# Altium PCB STB_LightBoard.PcbDoc (part 8 of 31)
Units mm, origin at the board's own origin, x right, y up, seen from the top; angles counter-clockwise.
Board outline 348 x 348 mm, 2 copper layers (Top Layer, Bottom Layer), stack 1.672 mm thick; 3807 components, 3391 nets, 11616 pads, 2553 vias.
Unrouted connection lines stored in the file: 68.
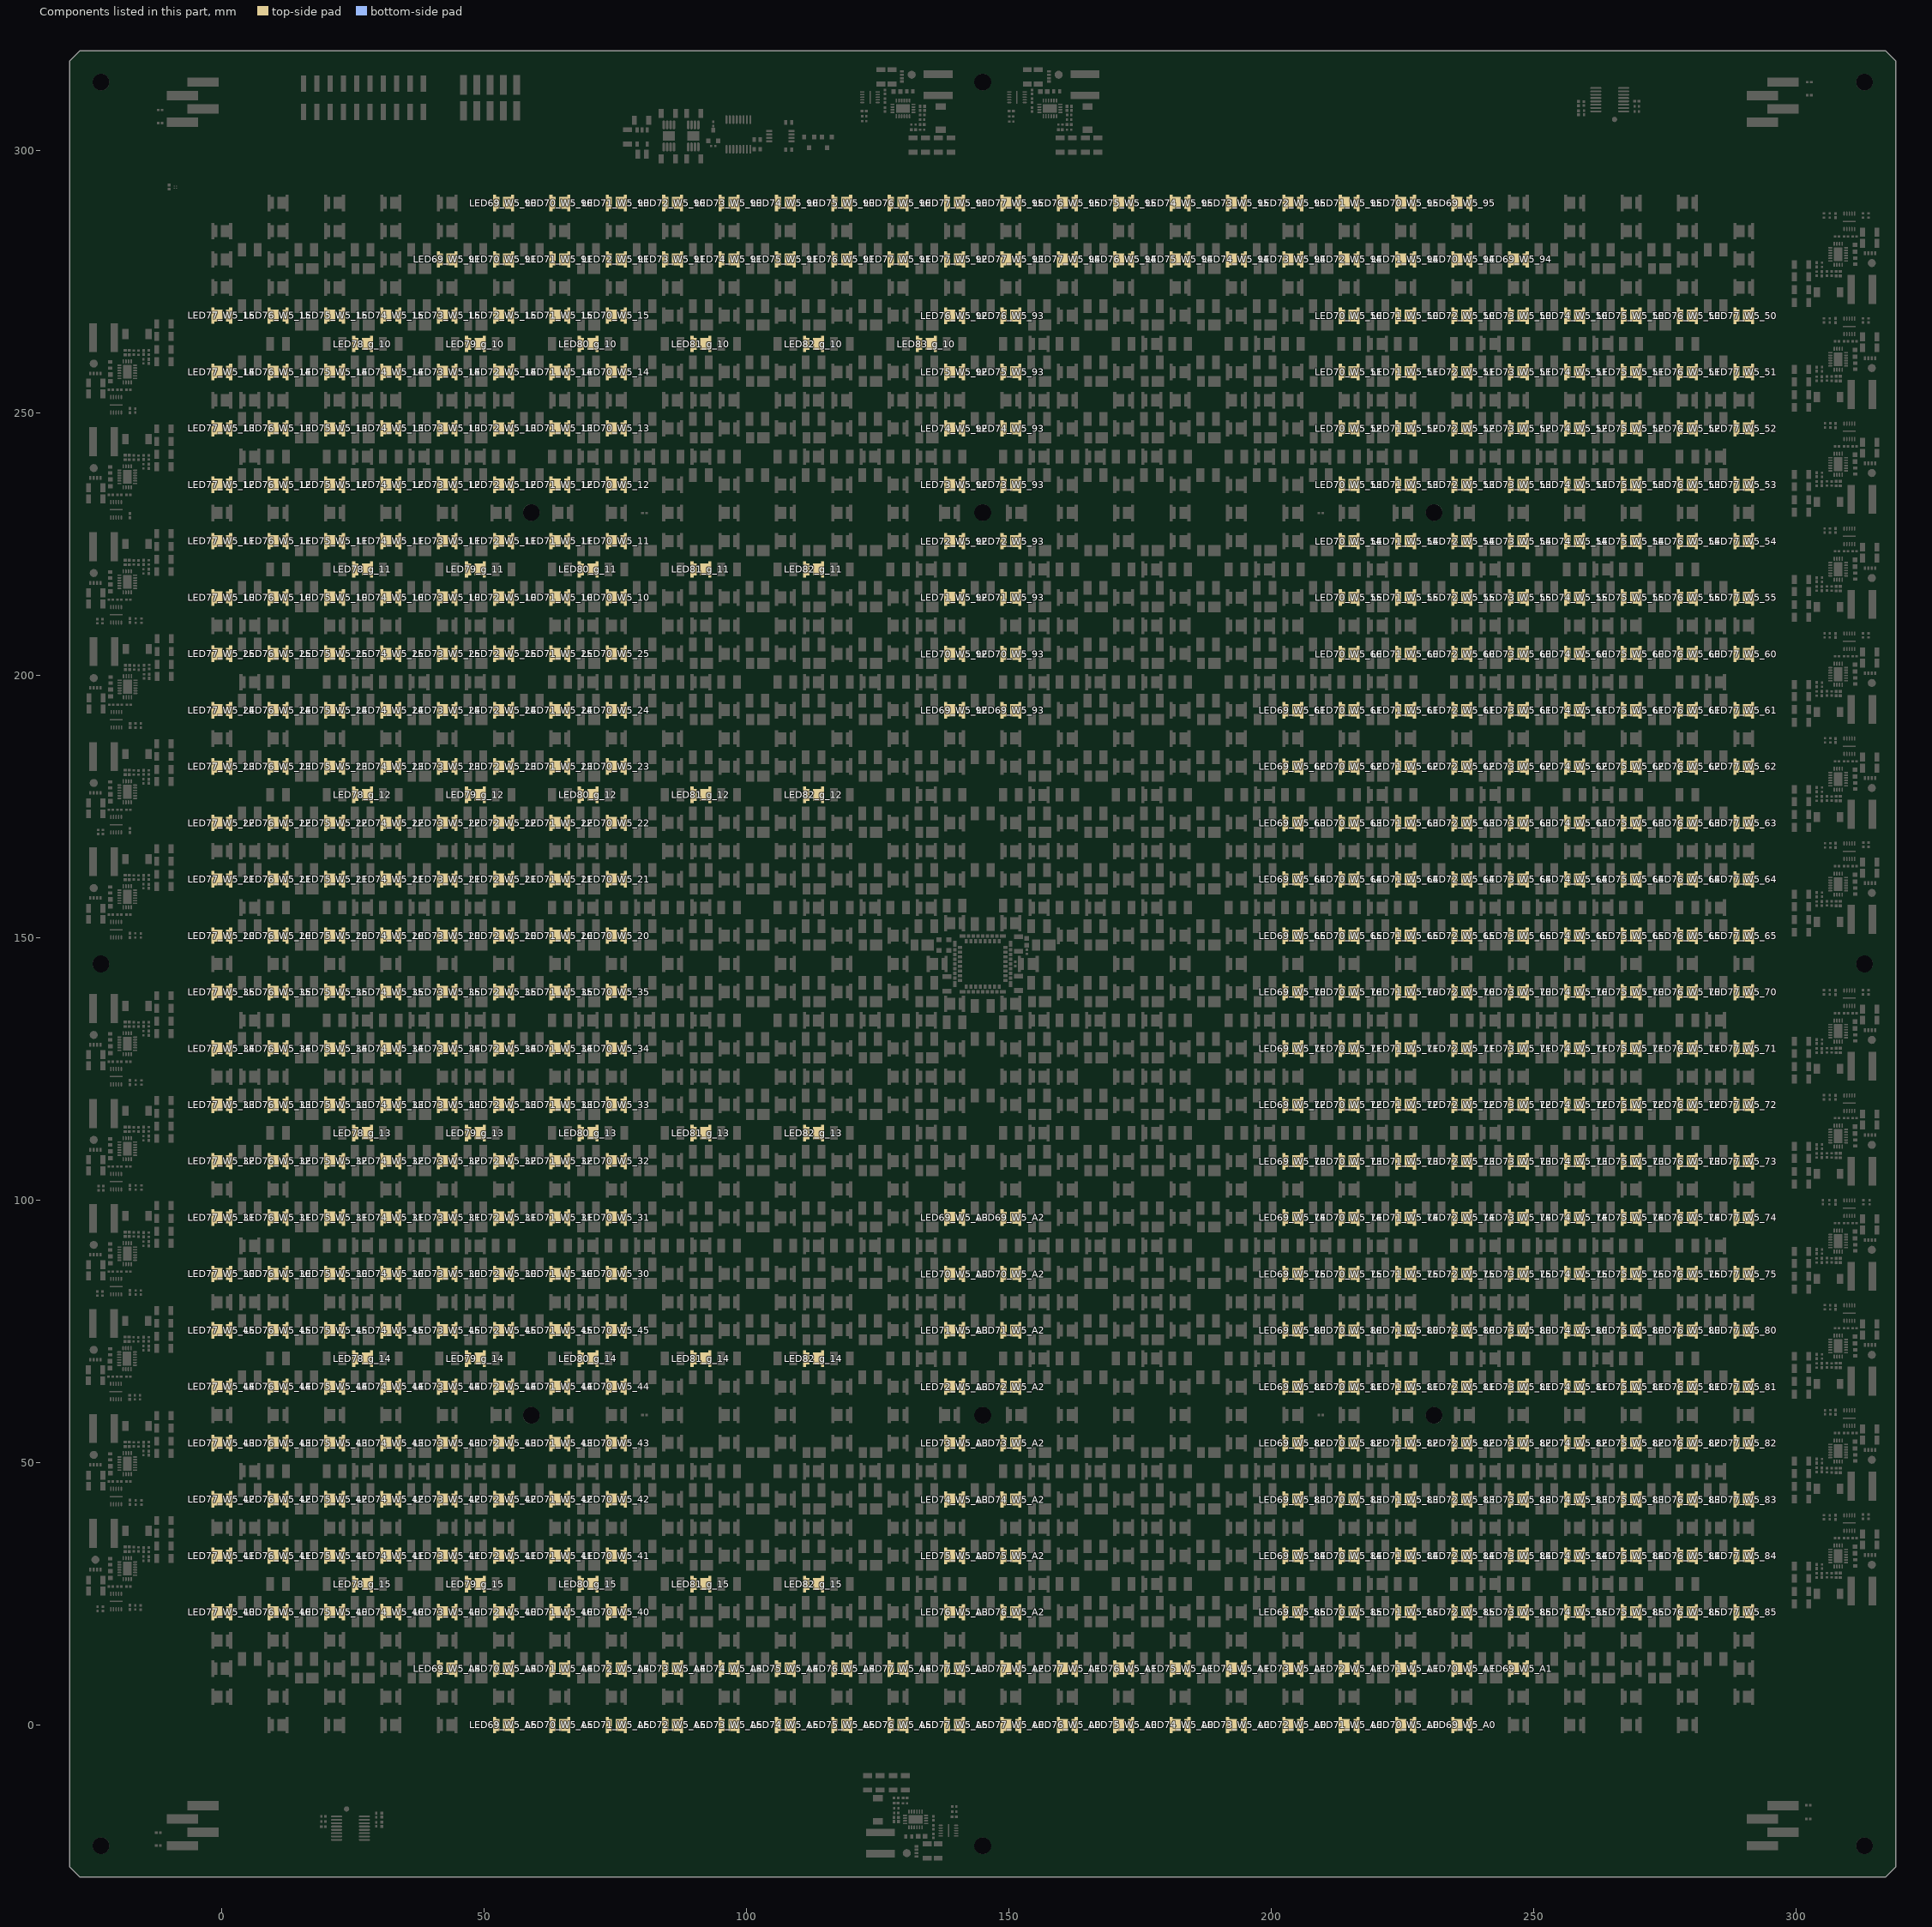
[diagram p8: the components of this part, seen from the top]

## Components (designator, comment, footprint, x,y, rotation, side; value= is the part's Value field where it differs from the comment) (continued)
LED69_W5_61 "NF2W757GT-F1" NF2W757GT-F1 204.079,193.32 r180 top (schematic designator LED69)
LED69_W5_62 "NF2W757GT-F1" NF2W757GT-F1 204.079,182.58 r180 top (schematic designator LED69)
LED69_W5_63 "NF2W757GT-F1" NF2W757GT-F1 204.079,171.84 r180 top (schematic designator LED69)
LED69_W5_64 "NF2W757GT-F1" NF2W757GT-F1 204.079,161.1 r180 top (schematic designator LED69)
LED69_W5_65 "NF2W757GT-F1" NF2W757GT-F1 204.079,150.36 r180 top (schematic designator LED69)
LED69_W5_70 "NF2W757GT-F1" NF2W757GT-F1 204.079,139.62 r180 top (schematic designator LED69)
LED69_W5_71 "NF2W757GT-F1" NF2W757GT-F1 204.079,128.88 r180 top (schematic designator LED69)
LED69_W5_72 "NF2W757GT-F1" NF2W757GT-F1 204.079,118.14 r180 top (schematic designator LED69)
LED69_W5_73 "NF2W757GT-F1" NF2W757GT-F1 204.079,107.4 r180 top (schematic designator LED69)
LED69_W5_74 "NF2W757GT-F1" NF2W757GT-F1 204.079,96.66 r180 top (schematic designator LED69)
LED69_W5_75 "NF2W757GT-F1" NF2W757GT-F1 204.079,85.92 r180 top (schematic designator LED69)
LED69_W5_80 "NF2W757GT-F1" NF2W757GT-F1 204.079,75.18 r180 top (schematic designator LED69)
LED69_W5_81 "NF2W757GT-F1" NF2W757GT-F1 204.079,64.44 r180 top (schematic designator LED69)
LED69_W5_82 "NF2W757GT-F1" NF2W757GT-F1 204.079,53.7 r180 top (schematic designator LED69)
LED69_W5_83 "NF2W757GT-F1" NF2W757GT-F1 204.079,42.96 r180 top (schematic designator LED69)
LED69_W5_84 "NF2W757GT-F1" NF2W757GT-F1 204.079,32.22 r180 top (schematic designator LED69)
LED69_W5_85 "NF2W757GT-F1" NF2W757GT-F1 204.079,21.48 r180 top (schematic designator LED69)
LED69_W5_90 "NF2W757GT-F1" NF2W757GT-F1 53.705,289.98 r180 top (schematic designator LED69)
LED69_W5_91 "NF2W757GT-F1" NF2W757GT-F1 42.964,279.24 r180 top (schematic designator LED69)
LED69_W5_92 "NF2W757GT-F1" NF2W757GT-F1 139.633,193.32 r0 top (schematic designator LED69)
LED69_W5_93 "NF2W757GT-F1" NF2W757GT-F1 150.374,193.32 r180 top (schematic designator LED69)
LED69_W5_94 "NF2W757GT-F1" NF2W757GT-F1 247.043,279.24 r0 top (schematic designator LED69)
LED69_W5_95 "NF2W757GT-F1" NF2W757GT-F1 236.302,289.98 r0 top (schematic designator LED69)
LED69_W5_A0 "NF2W757GT-F1" NF2W757GT-F1 236.302,0 r0 top (schematic designator LED69)
LED69_W5_A1 "NF2W757GT-F1" NF2W757GT-F1 247.043,10.74 r0 top (schematic designator LED69)
LED69_W5_A2 "NF2W757GT-F1" NF2W757GT-F1 150.374,96.66 r180 top (schematic designator LED69)
LED69_W5_A3 "NF2W757GT-F1" NF2W757GT-F1 139.633,96.66 r0 top (schematic designator LED69)
LED69_W5_A4 "NF2W757GT-F1" NF2W757GT-F1 42.964,10.74 r180 top (schematic designator LED69)
LED69_W5_A5 "NF2W757GT-F1" NF2W757GT-F1 53.705,0 r180 top (schematic designator LED69)
LED70_W5_10 "NF2W757GT-F1" NF2W757GT-F1 75.187,214.825 r0 top (schematic designator LED70)
LED70_W5_11 "NF2W757GT-F1" NF2W757GT-F1 75.187,225.565 r0 top (schematic designator LED70)
LED70_W5_12 "NF2W757GT-F1" NF2W757GT-F1 75.187,236.305 r0 top (schematic designator LED70)
LED70_W5_13 "NF2W757GT-F1" NF2W757GT-F1 75.187,247.045 r0 top (schematic designator LED70)
LED70_W5_14 "NF2W757GT-F1" NF2W757GT-F1 75.187,257.785 r0 top (schematic designator LED70)
LED70_W5_15 "NF2W757GT-F1" NF2W757GT-F1 75.187,268.525 r0 top (schematic designator LED70)
LED70_W5_20 "NF2W757GT-F1" NF2W757GT-F1 75.187,150.385 r0 top (schematic designator LED70)
LED70_W5_21 "NF2W757GT-F1" NF2W757GT-F1 75.187,161.125 r0 top (schematic designator LED70)
LED70_W5_22 "NF2W757GT-F1" NF2W757GT-F1 75.187,171.865 r0 top (schematic designator LED70)
LED70_W5_23 "NF2W757GT-F1" NF2W757GT-F1 75.187,182.605 r0 top (schematic designator LED70)
LED70_W5_24 "NF2W757GT-F1" NF2W757GT-F1 75.187,193.345 r0 top (schematic designator LED70)
LED70_W5_25 "NF2W757GT-F1" NF2W757GT-F1 75.187,204.085 r0 top (schematic designator LED70)
LED70_W5_30 "NF2W757GT-F1" NF2W757GT-F1 75.187,85.945 r0 top (schematic designator LED70)
LED70_W5_31 "NF2W757GT-F1" NF2W757GT-F1 75.187,96.685 r0 top (schematic designator LED70)
LED70_W5_32 "NF2W757GT-F1" NF2W757GT-F1 75.187,107.425 r0 top (schematic designator LED70)
LED70_W5_33 "NF2W757GT-F1" NF2W757GT-F1 75.187,118.165 r0 top (schematic designator LED70)
LED70_W5_34 "NF2W757GT-F1" NF2W757GT-F1 75.187,128.905 r0 top (schematic designator LED70)
LED70_W5_35 "NF2W757GT-F1" NF2W757GT-F1 75.187,139.645 r0 top (schematic designator LED70)
LED70_W5_40 "NF2W757GT-F1" NF2W757GT-F1 75.187,21.505 r0 top (schematic designator LED70)
LED70_W5_41 "NF2W757GT-F1" NF2W757GT-F1 75.187,32.245 r0 top (schematic designator LED70)
LED70_W5_42 "NF2W757GT-F1" NF2W757GT-F1 75.187,42.985 r0 top (schematic designator LED70)
LED70_W5_43 "NF2W757GT-F1" NF2W757GT-F1 75.187,53.725 r0 top (schematic designator LED70)
LED70_W5_44 "NF2W757GT-F1" NF2W757GT-F1 75.187,64.465 r0 top (schematic designator LED70)
LED70_W5_45 "NF2W757GT-F1" NF2W757GT-F1 75.187,75.205 r0 top (schematic designator LED70)
LED70_W5_50 "NF2W757GT-F1" NF2W757GT-F1 214.82,268.5 r180 top (schematic designator LED70)
LED70_W5_51 "NF2W757GT-F1" NF2W757GT-F1 214.82,257.76 r180 top (schematic designator LED70)
LED70_W5_52 "NF2W757GT-F1" NF2W757GT-F1 214.82,247.02 r180 top (schematic designator LED70)
LED70_W5_53 "NF2W757GT-F1" NF2W757GT-F1 214.82,236.28 r180 top (schematic designator LED70)
LED70_W5_54 "NF2W757GT-F1" NF2W757GT-F1 214.82,225.54 r180 top (schematic designator LED70)
LED70_W5_55 "NF2W757GT-F1" NF2W757GT-F1 214.82,214.8 r180 top (schematic designator LED70)
LED70_W5_60 "NF2W757GT-F1" NF2W757GT-F1 214.82,204.06 r180 top (schematic designator LED70)
LED70_W5_61 "NF2W757GT-F1" NF2W757GT-F1 214.82,193.32 r180 top (schematic designator LED70)
LED70_W5_62 "NF2W757GT-F1" NF2W757GT-F1 214.82,182.58 r180 top (schematic designator LED70)
LED70_W5_63 "NF2W757GT-F1" NF2W757GT-F1 214.82,171.84 r180 top (schematic designator LED70)
LED70_W5_64 "NF2W757GT-F1" NF2W757GT-F1 214.82,161.1 r180 top (schematic designator LED70)
LED70_W5_65 "NF2W757GT-F1" NF2W757GT-F1 214.82,150.36 r180 top (schematic designator LED70)
LED70_W5_70 "NF2W757GT-F1" NF2W757GT-F1 214.82,139.62 r180 top (schematic designator LED70)
LED70_W5_71 "NF2W757GT-F1" NF2W757GT-F1 214.82,128.88 r180 top (schematic designator LED70)
LED70_W5_72 "NF2W757GT-F1" NF2W757GT-F1 214.82,118.14 r180 top (schematic designator LED70)
LED70_W5_73 "NF2W757GT-F1" NF2W757GT-F1 214.82,107.4 r180 top (schematic designator LED70)
LED70_W5_74 "NF2W757GT-F1" NF2W757GT-F1 214.82,96.66 r180 top (schematic designator LED70)
LED70_W5_75 "NF2W757GT-F1" NF2W757GT-F1 214.82,85.92 r180 top (schematic designator LED70)
LED70_W5_80 "NF2W757GT-F1" NF2W757GT-F1 214.82,75.18 r180 top (schematic designator LED70)
LED70_W5_81 "NF2W757GT-F1" NF2W757GT-F1 214.82,64.44 r180 top (schematic designator LED70)
LED70_W5_82 "NF2W757GT-F1" NF2W757GT-F1 214.82,53.7 r180 top (schematic designator LED70)
LED70_W5_83 "NF2W757GT-F1" NF2W757GT-F1 214.82,42.96 r180 top (schematic designator LED70)
LED70_W5_84 "NF2W757GT-F1" NF2W757GT-F1 214.82,32.22 r180 top (schematic designator LED70)
LED70_W5_85 "NF2W757GT-F1" NF2W757GT-F1 214.82,21.48 r180 top (schematic designator LED70)
LED70_W5_90 "NF2W757GT-F1" NF2W757GT-F1 64.446,289.98 r180 top (schematic designator LED70)
LED70_W5_91 "NF2W757GT-F1" NF2W757GT-F1 53.705,279.24 r180 top (schematic designator LED70)
LED70_W5_92 "NF2W757GT-F1" NF2W757GT-F1 139.633,204.06 r0 top (schematic designator LED70)
LED70_W5_93 "NF2W757GT-F1" NF2W757GT-F1 150.374,204.06 r180 top (schematic designator LED70)
LED70_W5_94 "NF2W757GT-F1" NF2W757GT-F1 236.302,279.24 r0 top (schematic designator LED70)
LED70_W5_95 "NF2W757GT-F1" NF2W757GT-F1 225.561,289.98 r0 top (schematic designator LED70)
LED70_W5_A0 "NF2W757GT-F1" NF2W757GT-F1 225.561,0 r0 top (schematic designator LED70)
LED70_W5_A1 "NF2W757GT-F1" NF2W757GT-F1 236.302,10.74 r0 top (schematic designator LED70)
LED70_W5_A2 "NF2W757GT-F1" NF2W757GT-F1 150.374,85.92 r180 top (schematic designator LED70)
LED70_W5_A3 "NF2W757GT-F1" NF2W757GT-F1 139.633,85.92 r0 top (schematic designator LED70)
LED70_W5_A4 "NF2W757GT-F1" NF2W757GT-F1 53.705,10.74 r180 top (schematic designator LED70)
LED70_W5_A5 "NF2W757GT-F1" NF2W757GT-F1 64.446,0 r180 top (schematic designator LED70)
LED71_W5_10 "NF2W757GT-F1" NF2W757GT-F1 64.446,214.825 r0 top (schematic designator LED71)
LED71_W5_11 "NF2W757GT-F1" NF2W757GT-F1 64.446,225.565 r0 top (schematic designator LED71)
LED71_W5_12 "NF2W757GT-F1" NF2W757GT-F1 64.446,236.305 r0 top (schematic designator LED71)
LED71_W5_13 "NF2W757GT-F1" NF2W757GT-F1 64.446,247.045 r0 top (schematic designator LED71)
LED71_W5_14 "NF2W757GT-F1" NF2W757GT-F1 64.446,257.785 r0 top (schematic designator LED71)
LED71_W5_15 "NF2W757GT-F1" NF2W757GT-F1 64.446,268.525 r0 top (schematic designator LED71)
LED71_W5_20 "NF2W757GT-F1" NF2W757GT-F1 64.446,150.385 r0 top (schematic designator LED71)
LED71_W5_21 "NF2W757GT-F1" NF2W757GT-F1 64.446,161.125 r0 top (schematic designator LED71)
LED71_W5_22 "NF2W757GT-F1" NF2W757GT-F1 64.446,171.865 r0 top (schematic designator LED71)
LED71_W5_23 "NF2W757GT-F1" NF2W757GT-F1 64.446,182.605 r0 top (schematic designator LED71)
LED71_W5_24 "NF2W757GT-F1" NF2W757GT-F1 64.446,193.345 r0 top (schematic designator LED71)
LED71_W5_25 "NF2W757GT-F1" NF2W757GT-F1 64.446,204.085 r0 top (schematic designator LED71)
LED71_W5_30 "NF2W757GT-F1" NF2W757GT-F1 64.446,85.945 r0 top (schematic designator LED71)
LED71_W5_31 "NF2W757GT-F1" NF2W757GT-F1 64.446,96.685 r0 top (schematic designator LED71)
LED71_W5_32 "NF2W757GT-F1" NF2W757GT-F1 64.446,107.425 r0 top (schematic designator LED71)
LED71_W5_33 "NF2W757GT-F1" NF2W757GT-F1 64.446,118.165 r0 top (schematic designator LED71)
LED71_W5_34 "NF2W757GT-F1" NF2W757GT-F1 64.446,128.905 r0 top (schematic designator LED71)
LED71_W5_35 "NF2W757GT-F1" NF2W757GT-F1 64.446,139.645 r0 top (schematic designator LED71)
LED71_W5_40 "NF2W757GT-F1" NF2W757GT-F1 64.446,21.505 r0 top (schematic designator LED71)
LED71_W5_41 "NF2W757GT-F1" NF2W757GT-F1 64.446,32.245 r0 top (schematic designator LED71)
LED71_W5_42 "NF2W757GT-F1" NF2W757GT-F1 64.446,42.985 r0 top (schematic designator LED71)
LED71_W5_43 "NF2W757GT-F1" NF2W757GT-F1 64.446,53.725 r0 top (schematic designator LED71)
LED71_W5_44 "NF2W757GT-F1" NF2W757GT-F1 64.446,64.465 r0 top (schematic designator LED71)
LED71_W5_45 "NF2W757GT-F1" NF2W757GT-F1 64.446,75.205 r0 top (schematic designator LED71)
LED71_W5_50 "NF2W757GT-F1" NF2W757GT-F1 225.561,268.5 r180 top (schematic designator LED71)
LED71_W5_51 "NF2W757GT-F1" NF2W757GT-F1 225.561,257.76 r180 top (schematic designator LED71)
LED71_W5_52 "NF2W757GT-F1" NF2W757GT-F1 225.561,247.02 r180 top (schematic designator LED71)
LED71_W5_53 "NF2W757GT-F1" NF2W757GT-F1 225.561,236.28 r180 top (schematic designator LED71)
LED71_W5_54 "NF2W757GT-F1" NF2W757GT-F1 225.561,225.54 r180 top (schematic designator LED71)
LED71_W5_55 "NF2W757GT-F1" NF2W757GT-F1 225.561,214.8 r180 top (schematic designator LED71)
LED71_W5_60 "NF2W757GT-F1" NF2W757GT-F1 225.561,204.06 r180 top (schematic designator LED71)
LED71_W5_61 "NF2W757GT-F1" NF2W757GT-F1 225.561,193.32 r180 top (schematic designator LED71)
LED71_W5_62 "NF2W757GT-F1" NF2W757GT-F1 225.561,182.58 r180 top (schematic designator LED71)
LED71_W5_63 "NF2W757GT-F1" NF2W757GT-F1 225.561,171.84 r180 top (schematic designator LED71)
LED71_W5_64 "NF2W757GT-F1" NF2W757GT-F1 225.561,161.1 r180 top (schematic designator LED71)
LED71_W5_65 "NF2W757GT-F1" NF2W757GT-F1 225.561,150.36 r180 top (schematic designator LED71)
LED71_W5_70 "NF2W757GT-F1" NF2W757GT-F1 225.561,139.62 r180 top (schematic designator LED71)
LED71_W5_71 "NF2W757GT-F1" NF2W757GT-F1 225.561,128.88 r180 top (schematic designator LED71)
LED71_W5_72 "NF2W757GT-F1" NF2W757GT-F1 225.561,118.14 r180 top (schematic designator LED71)
LED71_W5_73 "NF2W757GT-F1" NF2W757GT-F1 225.561,107.4 r180 top (schematic designator LED71)
LED71_W5_74 "NF2W757GT-F1" NF2W757GT-F1 225.561,96.66 r180 top (schematic designator LED71)
LED71_W5_75 "NF2W757GT-F1" NF2W757GT-F1 225.561,85.92 r180 top (schematic designator LED71)
LED71_W5_80 "NF2W757GT-F1" NF2W757GT-F1 225.561,75.18 r180 top (schematic designator LED71)
LED71_W5_81 "NF2W757GT-F1" NF2W757GT-F1 225.561,64.44 r180 top (schematic designator LED71)
LED71_W5_82 "NF2W757GT-F1" NF2W757GT-F1 225.561,53.7 r180 top (schematic designator LED71)
LED71_W5_83 "NF2W757GT-F1" NF2W757GT-F1 225.561,42.96 r180 top (schematic designator LED71)
LED71_W5_84 "NF2W757GT-F1" NF2W757GT-F1 225.561,32.22 r180 top (schematic designator LED71)
LED71_W5_85 "NF2W757GT-F1" NF2W757GT-F1 225.561,21.48 r180 top (schematic designator LED71)
LED71_W5_90 "NF2W757GT-F1" NF2W757GT-F1 75.187,289.98 r180 top (schematic designator LED71)
LED71_W5_91 "NF2W757GT-F1" NF2W757GT-F1 64.446,279.24 r180 top (schematic designator LED71)
LED71_W5_92 "NF2W757GT-F1" NF2W757GT-F1 139.633,214.8 r0 top (schematic designator LED71)
LED71_W5_93 "NF2W757GT-F1" NF2W757GT-F1 150.374,214.8 r180 top (schematic designator LED71)
LED71_W5_94 "NF2W757GT-F1" NF2W757GT-F1 225.561,279.24 r0 top (schematic designator LED71)
LED71_W5_95 "NF2W757GT-F1" NF2W757GT-F1 214.82,289.98 r0 top (schematic designator LED71)
LED71_W5_A0 "NF2W757GT-F1" NF2W757GT-F1 214.82,0 r0 top (schematic designator LED71)
LED71_W5_A1 "NF2W757GT-F1" NF2W757GT-F1 225.561,10.74 r0 top (schematic designator LED71)
LED71_W5_A2 "NF2W757GT-F1" NF2W757GT-F1 150.374,75.18 r180 top (schematic designator LED71)
LED71_W5_A3 "NF2W757GT-F1" NF2W757GT-F1 139.633,75.18 r0 top (schematic designator LED71)
LED71_W5_A4 "NF2W757GT-F1" NF2W757GT-F1 64.446,10.74 r180 top (schematic designator LED71)
LED71_W5_A5 "NF2W757GT-F1" NF2W757GT-F1 75.187,0 r180 top (schematic designator LED71)
LED72_W5_10 "NF2W757GT-F1" NF2W757GT-F1 53.705,214.825 r0 top (schematic designator LED72)
LED72_W5_11 "NF2W757GT-F1" NF2W757GT-F1 53.705,225.565 r0 top (schematic designator LED72)
LED72_W5_12 "NF2W757GT-F1" NF2W757GT-F1 53.705,236.305 r0 top (schematic designator LED72)
LED72_W5_13 "NF2W757GT-F1" NF2W757GT-F1 53.705,247.045 r0 top (schematic designator LED72)
LED72_W5_14 "NF2W757GT-F1" NF2W757GT-F1 53.705,257.785 r0 top (schematic designator LED72)
LED72_W5_15 "NF2W757GT-F1" NF2W757GT-F1 53.705,268.525 r0 top (schematic designator LED72)
LED72_W5_20 "NF2W757GT-F1" NF2W757GT-F1 53.705,150.385 r0 top (schematic designator LED72)
LED72_W5_21 "NF2W757GT-F1" NF2W757GT-F1 53.705,161.125 r0 top (schematic designator LED72)
LED72_W5_22 "NF2W757GT-F1" NF2W757GT-F1 53.705,171.865 r0 top (schematic designator LED72)
LED72_W5_23 "NF2W757GT-F1" NF2W757GT-F1 53.705,182.605 r0 top (schematic designator LED72)
LED72_W5_24 "NF2W757GT-F1" NF2W757GT-F1 53.705,193.345 r0 top (schematic designator LED72)
LED72_W5_25 "NF2W757GT-F1" NF2W757GT-F1 53.705,204.085 r0 top (schematic designator LED72)
LED72_W5_30 "NF2W757GT-F1" NF2W757GT-F1 53.705,85.945 r0 top (schematic designator LED72)
LED72_W5_31 "NF2W757GT-F1" NF2W757GT-F1 53.705,96.685 r0 top (schematic designator LED72)
LED72_W5_32 "NF2W757GT-F1" NF2W757GT-F1 53.705,107.425 r0 top (schematic designator LED72)
LED72_W5_33 "NF2W757GT-F1" NF2W757GT-F1 53.705,118.165 r0 top (schematic designator LED72)
LED72_W5_34 "NF2W757GT-F1" NF2W757GT-F1 53.705,128.905 r0 top (schematic designator LED72)
LED72_W5_35 "NF2W757GT-F1" NF2W757GT-F1 53.705,139.645 r0 top (schematic designator LED72)
LED72_W5_40 "NF2W757GT-F1" NF2W757GT-F1 53.705,21.505 r0 top (schematic designator LED72)
LED72_W5_41 "NF2W757GT-F1" NF2W757GT-F1 53.705,32.245 r0 top (schematic designator LED72)
LED72_W5_42 "NF2W757GT-F1" NF2W757GT-F1 53.705,42.985 r0 top (schematic designator LED72)
LED72_W5_43 "NF2W757GT-F1" NF2W757GT-F1 53.705,53.725 r0 top (schematic designator LED72)
LED72_W5_44 "NF2W757GT-F1" NF2W757GT-F1 53.705,64.465 r0 top (schematic designator LED72)
LED72_W5_45 "NF2W757GT-F1" NF2W757GT-F1 53.705,75.205 r0 top (schematic designator LED72)
LED72_W5_50 "NF2W757GT-F1" NF2W757GT-F1 236.302,268.5 r180 top (schematic designator LED72)
LED72_W5_51 "NF2W757GT-F1" NF2W757GT-F1 236.302,257.76 r180 top (schematic designator LED72)
LED72_W5_52 "NF2W757GT-F1" NF2W757GT-F1 236.302,247.02 r180 top (schematic designator LED72)
LED72_W5_53 "NF2W757GT-F1" NF2W757GT-F1 236.302,236.28 r180 top (schematic designator LED72)
LED72_W5_54 "NF2W757GT-F1" NF2W757GT-F1 236.302,225.54 r180 top (schematic designator LED72)
LED72_W5_55 "NF2W757GT-F1" NF2W757GT-F1 236.302,214.8 r180 top (schematic designator LED72)
LED72_W5_60 "NF2W757GT-F1" NF2W757GT-F1 236.302,204.06 r180 top (schematic designator LED72)
LED72_W5_61 "NF2W757GT-F1" NF2W757GT-F1 236.302,193.32 r180 top (schematic designator LED72)
LED72_W5_62 "NF2W757GT-F1" NF2W757GT-F1 236.302,182.58 r180 top (schematic designator LED72)
LED72_W5_63 "NF2W757GT-F1" NF2W757GT-F1 236.302,171.84 r180 top (schematic designator LED72)
LED72_W5_64 "NF2W757GT-F1" NF2W757GT-F1 236.302,161.1 r180 top (schematic designator LED72)
LED72_W5_65 "NF2W757GT-F1" NF2W757GT-F1 236.302,150.36 r180 top (schematic designator LED72)
LED72_W5_70 "NF2W757GT-F1" NF2W757GT-F1 236.302,139.62 r180 top (schematic designator LED72)
LED72_W5_71 "NF2W757GT-F1" NF2W757GT-F1 236.302,128.88 r180 top (schematic designator LED72)
LED72_W5_72 "NF2W757GT-F1" NF2W757GT-F1 236.302,118.14 r180 top (schematic designator LED72)
LED72_W5_73 "NF2W757GT-F1" NF2W757GT-F1 236.302,107.4 r180 top (schematic designator LED72)
LED72_W5_74 "NF2W757GT-F1" NF2W757GT-F1 236.302,96.66 r180 top (schematic designator LED72)
LED72_W5_75 "NF2W757GT-F1" NF2W757GT-F1 236.302,85.92 r180 top (schematic designator LED72)
LED72_W5_80 "NF2W757GT-F1" NF2W757GT-F1 236.302,75.18 r180 top (schematic designator LED72)
LED72_W5_81 "NF2W757GT-F1" NF2W757GT-F1 236.302,64.44 r180 top (schematic designator LED72)
LED72_W5_82 "NF2W757GT-F1" NF2W757GT-F1 236.302,53.7 r180 top (schematic designator LED72)
LED72_W5_83 "NF2W757GT-F1" NF2W757GT-F1 236.302,42.96 r180 top (schematic designator LED72)
LED72_W5_84 "NF2W757GT-F1" NF2W757GT-F1 236.302,32.22 r180 top (schematic designator LED72)
LED72_W5_85 "NF2W757GT-F1" NF2W757GT-F1 236.302,21.48 r180 top (schematic designator LED72)
LED72_W5_90 "NF2W757GT-F1" NF2W757GT-F1 85.928,289.98 r180 top (schematic designator LED72)
LED72_W5_91 "NF2W757GT-F1" NF2W757GT-F1 75.187,279.24 r180 top (schematic designator LED72)
LED72_W5_92 "NF2W757GT-F1" NF2W757GT-F1 139.633,225.54 r0 top (schematic designator LED72)
LED72_W5_93 "NF2W757GT-F1" NF2W757GT-F1 150.374,225.54 r180 top (schematic designator LED72)
LED72_W5_94 "NF2W757GT-F1" NF2W757GT-F1 214.82,279.24 r0 top (schematic designator LED72)
LED72_W5_95 "NF2W757GT-F1" NF2W757GT-F1 204.079,289.98 r0 top (schematic designator LED72)
LED72_W5_A0 "NF2W757GT-F1" NF2W757GT-F1 204.079,0 r0 top (schematic designator LED72)
LED72_W5_A1 "NF2W757GT-F1" NF2W757GT-F1 214.82,10.74 r0 top (schematic designator LED72)
LED72_W5_A2 "NF2W757GT-F1" NF2W757GT-F1 150.374,64.44 r180 top (schematic designator LED72)
LED72_W5_A3 "NF2W757GT-F1" NF2W757GT-F1 139.633,64.44 r0 top (schematic designator LED72)
LED72_W5_A4 "NF2W757GT-F1" NF2W757GT-F1 75.187,10.74 r180 top (schematic designator LED72)
LED72_W5_A5 "NF2W757GT-F1" NF2W757GT-F1 85.928,0 r180 top (schematic designator LED72)
LED73_W5_10 "NF2W757GT-F1" NF2W757GT-F1 42.964,214.825 r0 top (schematic designator LED73)
LED73_W5_11 "NF2W757GT-F1" NF2W757GT-F1 42.964,225.565 r0 top (schematic designator LED73)
LED73_W5_12 "NF2W757GT-F1" NF2W757GT-F1 42.964,236.305 r0 top (schematic designator LED73)
LED73_W5_13 "NF2W757GT-F1" NF2W757GT-F1 42.964,247.045 r0 top (schematic designator LED73)
LED73_W5_14 "NF2W757GT-F1" NF2W757GT-F1 42.964,257.785 r0 top (schematic designator LED73)
LED73_W5_15 "NF2W757GT-F1" NF2W757GT-F1 42.964,268.525 r0 top (schematic designator LED73)
LED73_W5_20 "NF2W757GT-F1" NF2W757GT-F1 42.964,150.385 r0 top (schematic designator LED73)
LED73_W5_21 "NF2W757GT-F1" NF2W757GT-F1 42.964,161.125 r0 top (schematic designator LED73)
LED73_W5_22 "NF2W757GT-F1" NF2W757GT-F1 42.964,171.865 r0 top (schematic designator LED73)
LED73_W5_23 "NF2W757GT-F1" NF2W757GT-F1 42.964,182.605 r0 top (schematic designator LED73)
LED73_W5_24 "NF2W757GT-F1" NF2W757GT-F1 42.964,193.345 r0 top (schematic designator LED73)
LED73_W5_25 "NF2W757GT-F1" NF2W757GT-F1 42.964,204.085 r0 top (schematic designator LED73)
LED73_W5_30 "NF2W757GT-F1" NF2W757GT-F1 42.964,85.945 r0 top (schematic designator LED73)